# Altium PCB power.PcbDoc (part 1 of 2) (continued)
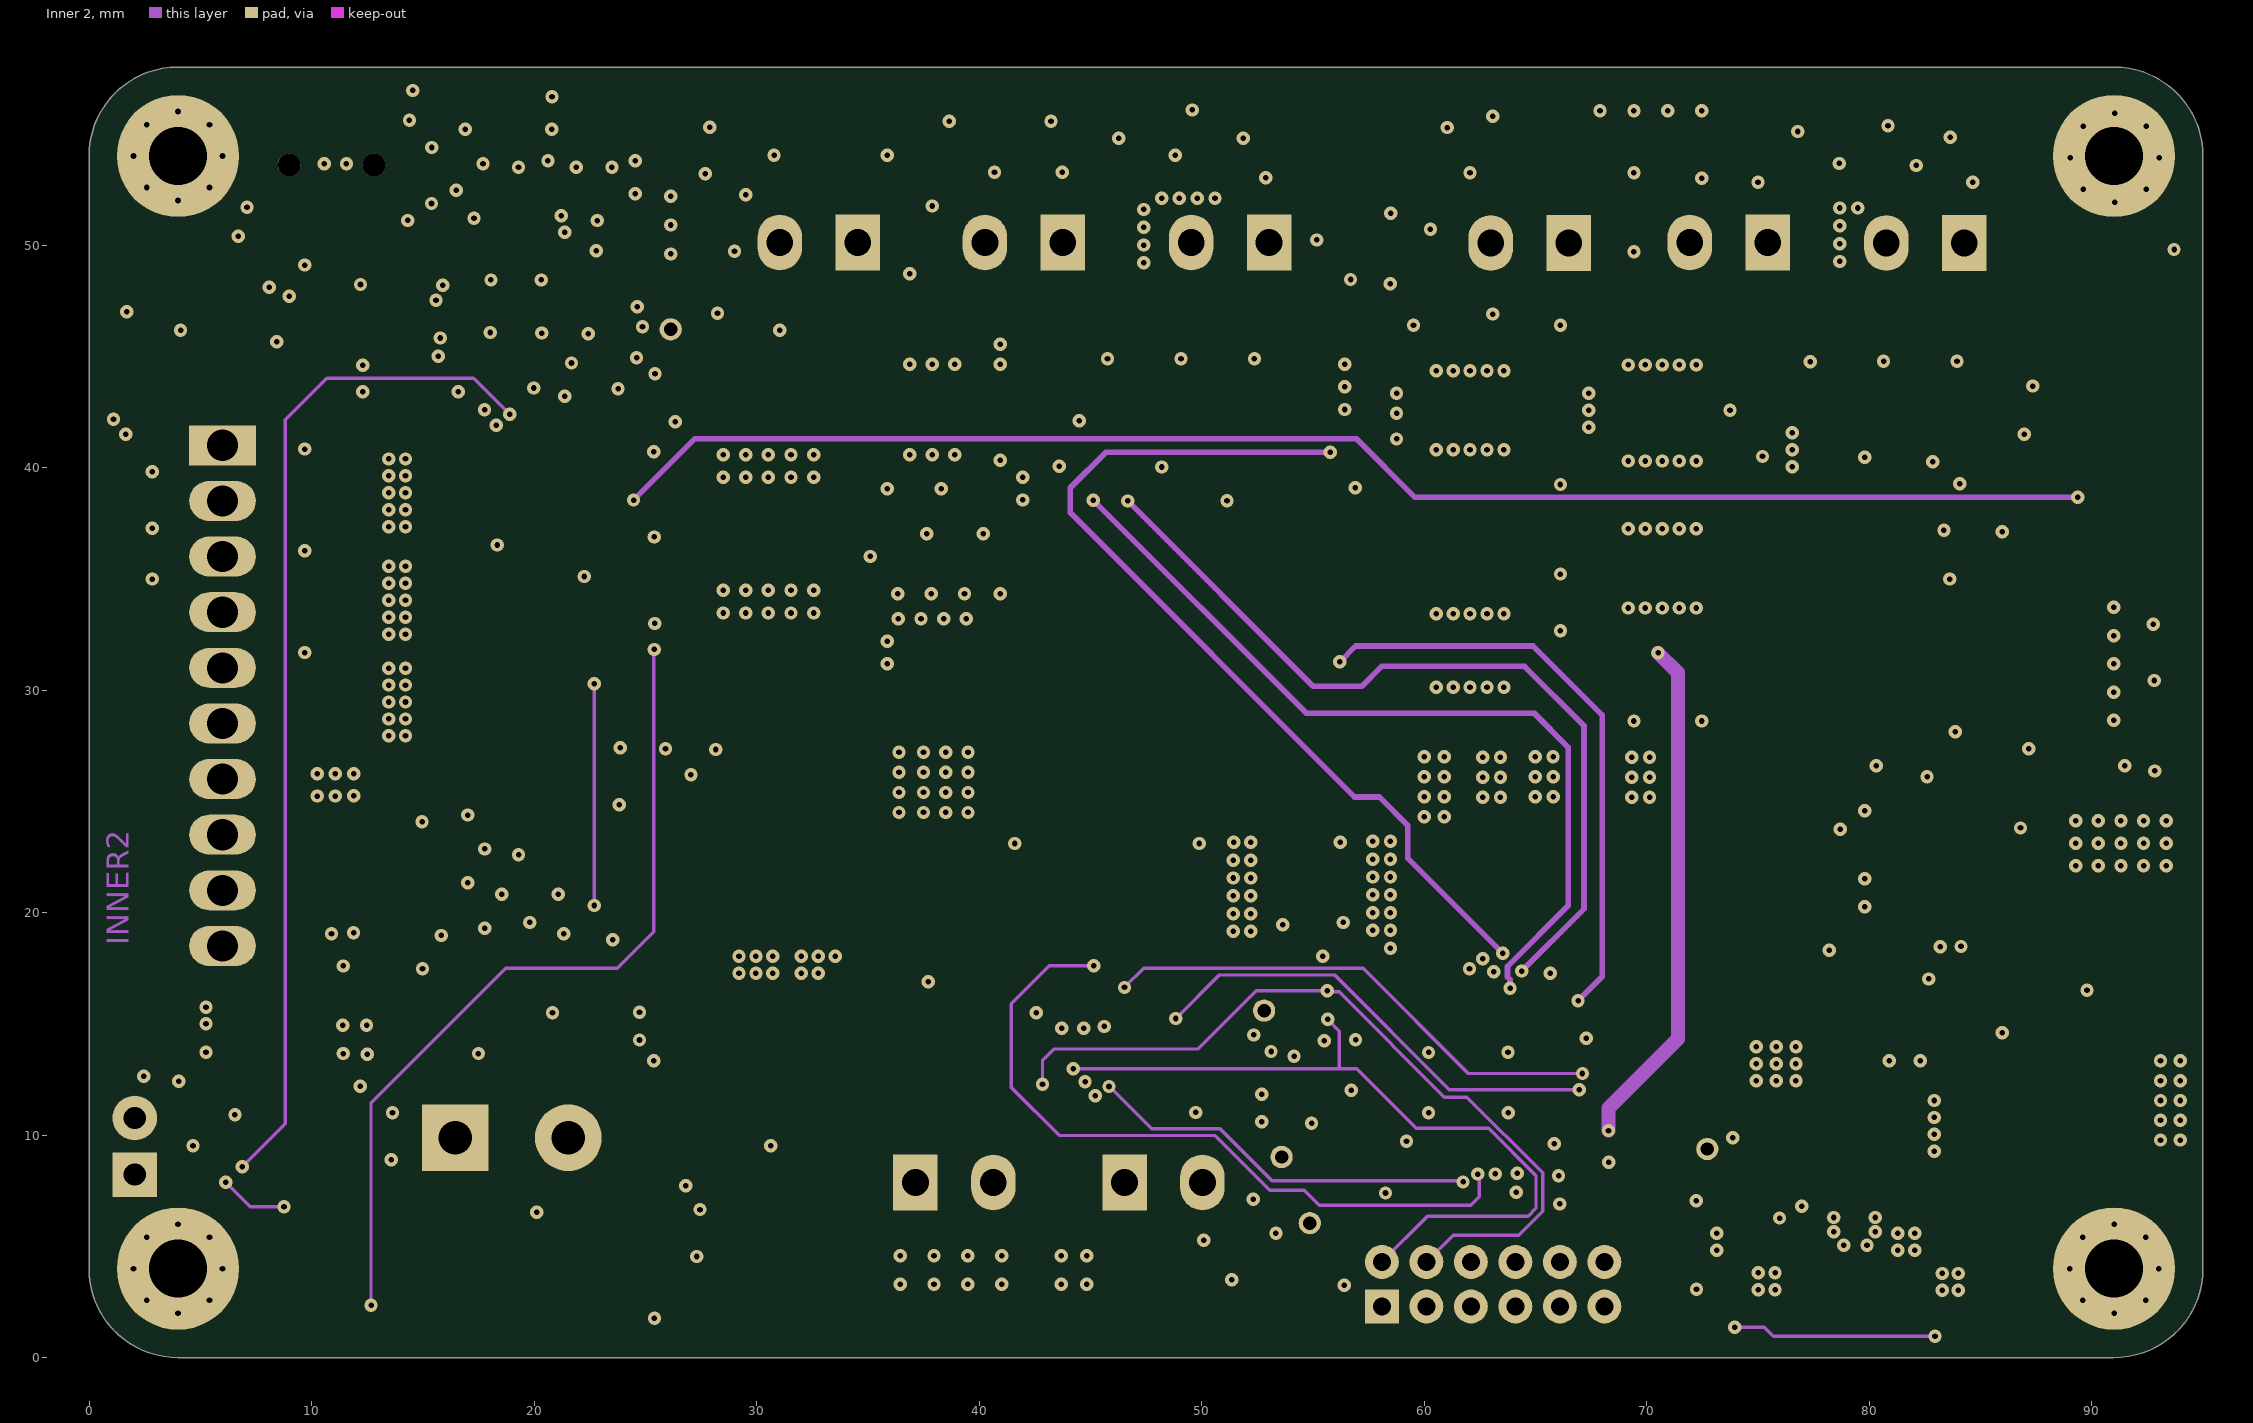
[diagram p4: Inner 2]
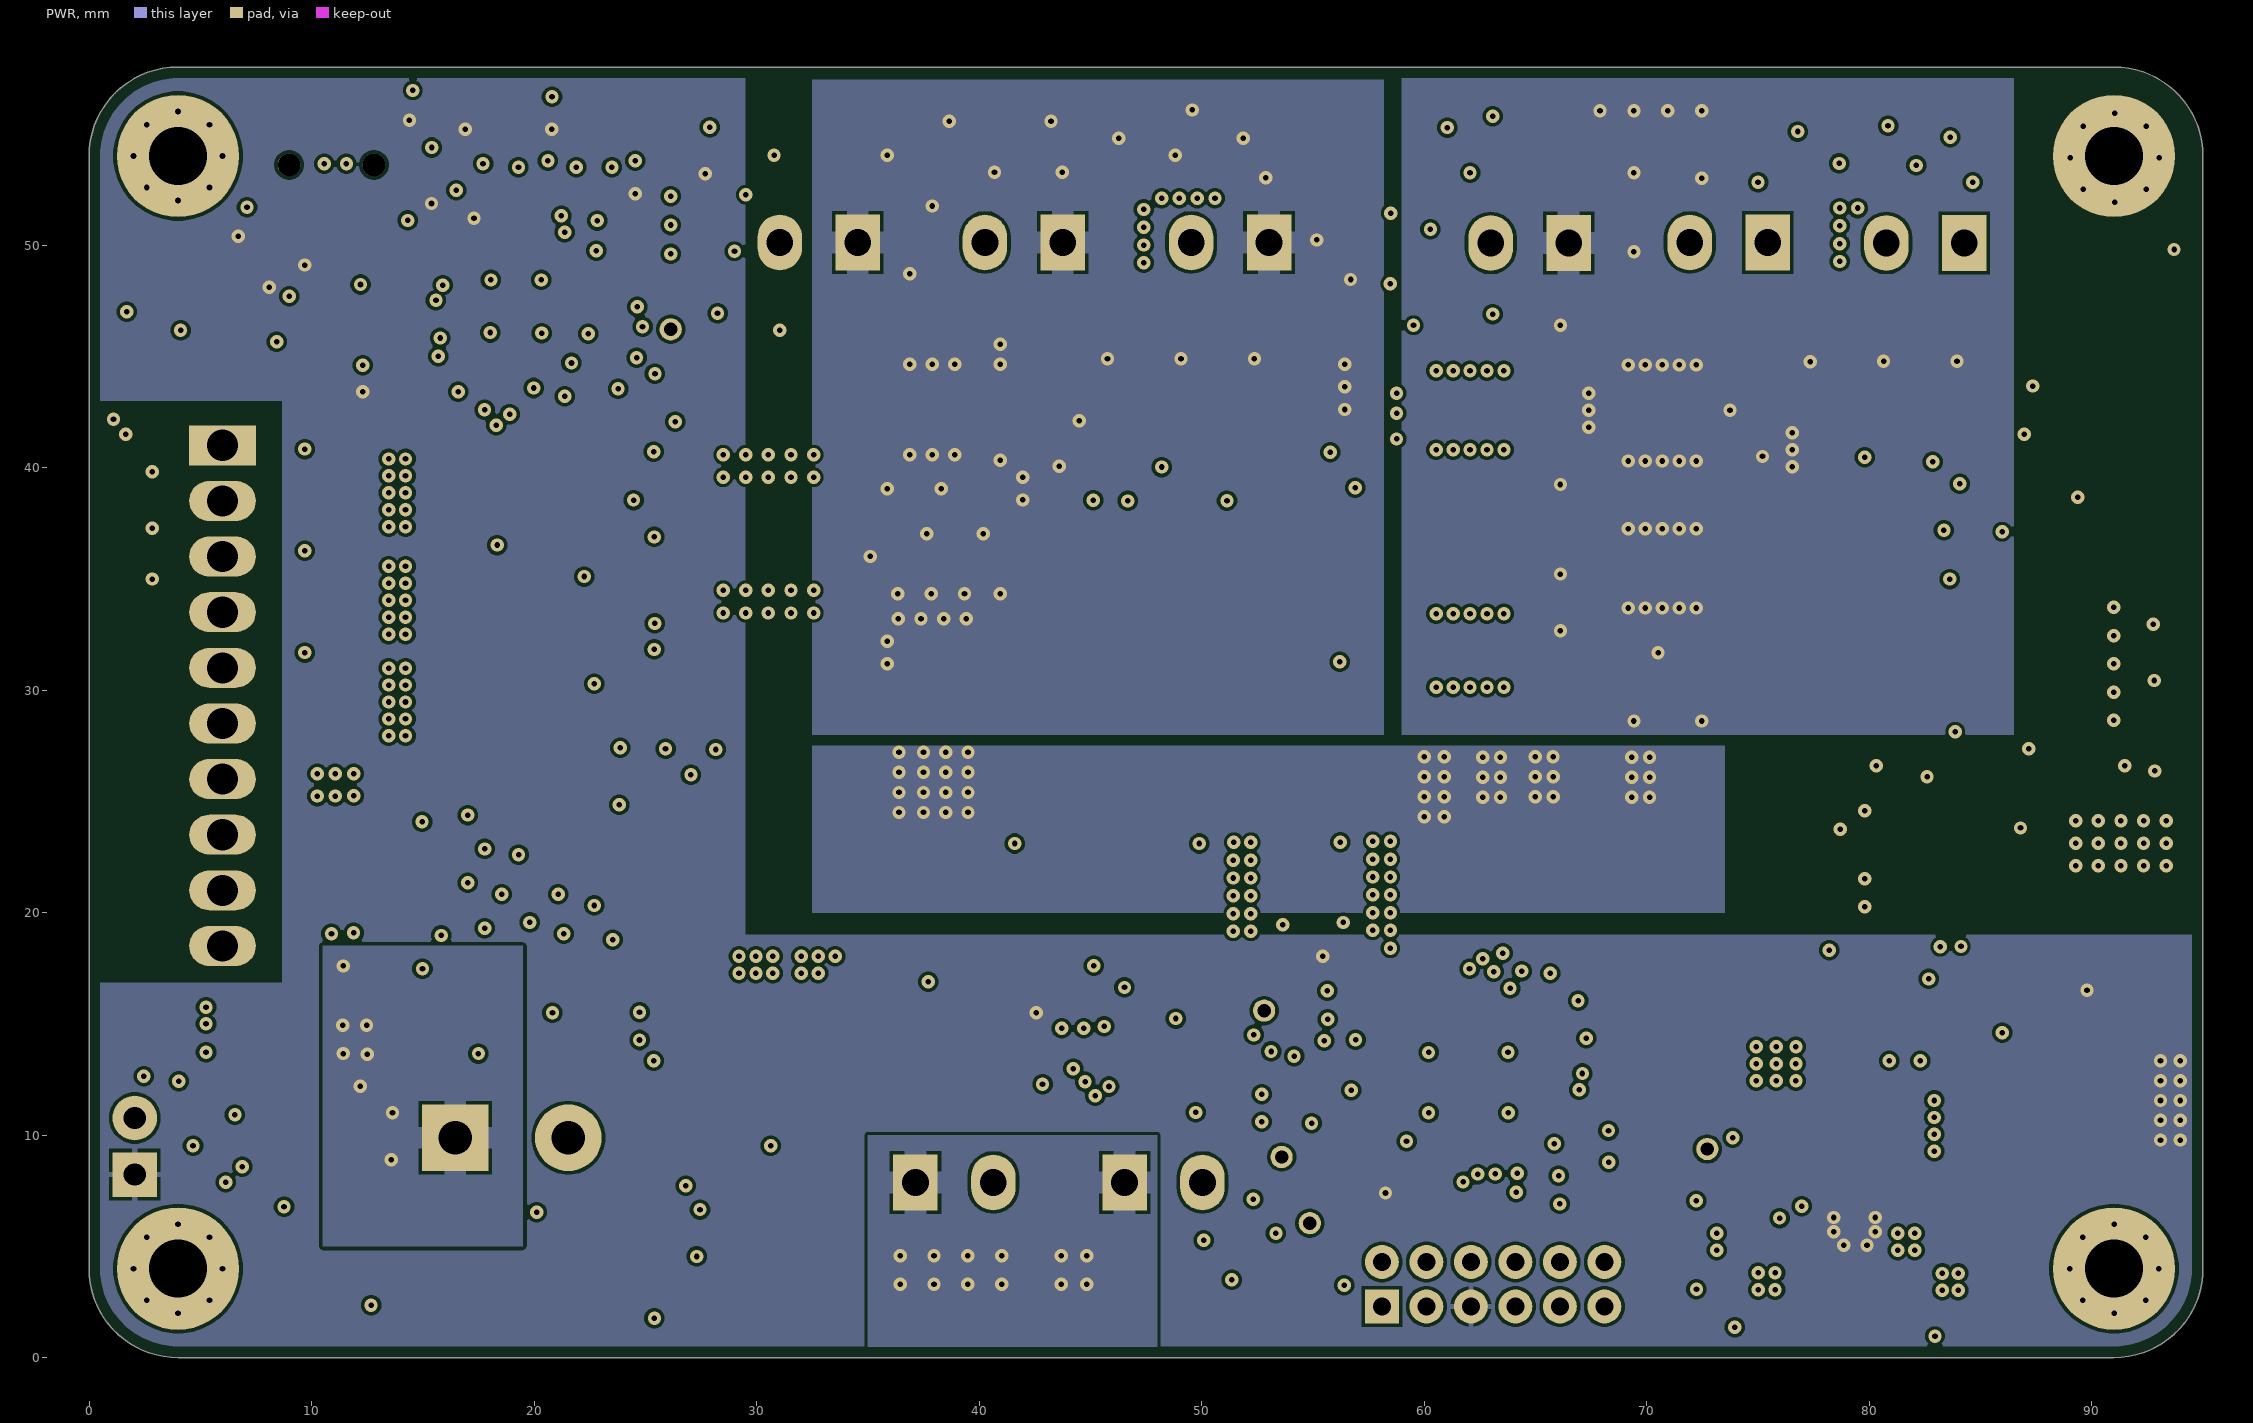
[diagram p5: PWR]
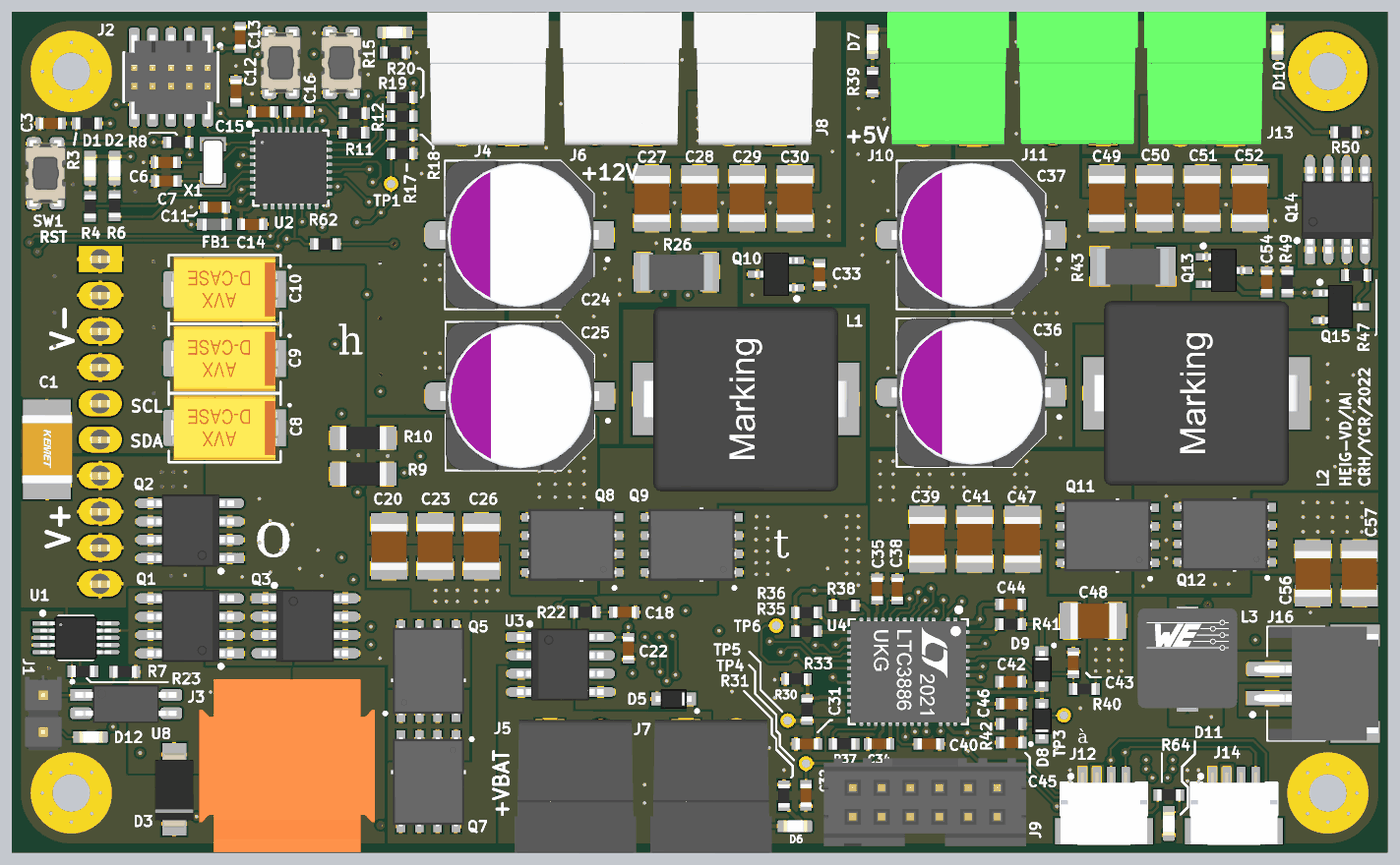
[diagram p7: 3D render of the assembled board from above, using the file's embedded part models]
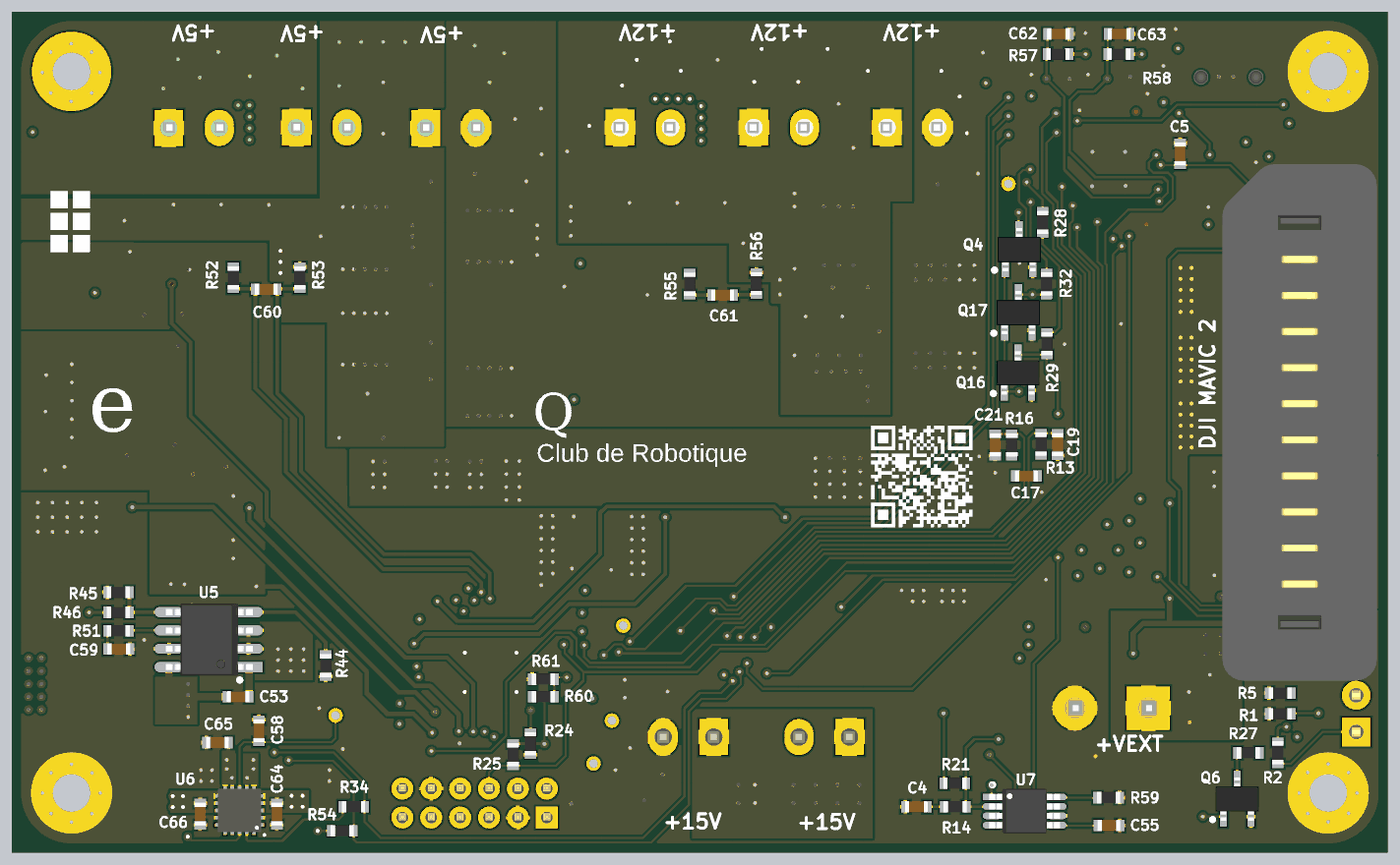
[diagram p8: 3D render of the assembled board from below, using the file's embedded part models]

## Layer stack, top to bottom
Top Solder: solder mask 0.0102, Solder Resist, Dk 3.5
Top Layer: signal copper 0.0356
Dielectric 2: prepreg 0.24, PP-006, Dk 4.1
GND: signal copper 0.035
Dielectric 4: prepreg 0.36, PP-006, Dk 4.1
Inner 1: signal copper 0.035
Dielectric 1: dielectric 0.24, FR-4, Dk 4.8
Inner 2: signal copper 0.035
Dielectric 5: prepreg 0.36, PP-006, Dk 4.1
PWR: signal copper 0.035
Dielectric 3: prepreg 0.24, PP-006, Dk 4.1
Bottom Layer: signal copper 0.0356
Bottom Solder: solder mask 0.0102, Solder Resist, Dk 3.5

## Board outline
0,4 0,54 cw(c4,54) 4,58 91,58 cw(c91,54) 95,54 95,4 cw(c91,4) 91,0 4,0 cw(c4,4)

## Design rules (kind name [scope] priority, off if disabled: settings)
BoardOutlineClearance Mask [OnLayer('Top Overlay')] p1: gap=0.4 ignorepadtopadclearanceinfootprint=FALSE
BoardOutlineClearance [All] p2: gap=0.5 ignorepadtopadclearanceinfootprint=FALSE except(0.4: SMDPad-OutlineEdge Text-OutlineEdge)
Clearance [All] p1: gap=0.15 ignorepadtopadclearanceinfootprint=TRUE
HoleSize [All] p1: absolutevalues=TRUE maxlimit=3.5 minlimit=0.025 maxpercent=80.000 minpercent=20.000
HoleToHoleClearance [All] p1: gap=0.15 allowstackedmicrovias=TRUE
MinimumSolderMaskSliver [All] p1: minsoldermaskwidth=0.075
PlaneClearance [All] p1: clearance=0.15
PlaneConnect Holes [HasFootprint('HW/HOLE/M2.5/VIA')] p1: planeconnectstyle=Direct reliefexpansion=0.508 reliefentries=4 reliefconductorwidth=0.254 reliefairgap=0.254
PlaneConnect [All] p2: pad.planeconnectstyle=Relief pad.reliefexpansion=0.508 pad.reliefentries=4 pad.reliefconductorwidth=0.5 pad.reliefairgap=0.15 via.planeconnectstyle=Direct via.reliefexpansion=0.508 via.reliefentries=4 via.reliefconductorwidth=0.5 via.reliefairgap=0.2
PolygonConnect "Schematic Polygon Connect Style_53" [InComponent('J3')] p1: connectstyle=Relief reliefconductorwidth=1 reliefentries=4 polygonreliefangle="90 Angle" airgapwidth=0.15
PolygonConnect "Schematic Polygon Connect Style_52" [InComponent('R9')] p2: connectstyle=Relief reliefconductorwidth=1 reliefentries=4 polygonreliefangle="90 Angle" airgapwidth=0.15
PolygonConnect "Schematic Polygon Connect Style_51" [InComponent('R10')] p3: connectstyle=Relief reliefconductorwidth=1 reliefentries=4 polygonreliefangle="90 Angle" airgapwidth=0.15
PolygonConnect "Schematic Polygon Connect Style_50" [InComponent('C8')] p4: connectstyle=Relief reliefconductorwidth=1 reliefentries=4 polygonreliefangle="90 Angle" airgapwidth=0.15
PolygonConnect "Schematic Polygon Connect Style_49" [InComponent('C10')] p5: connectstyle=Relief reliefconductorwidth=1 reliefentries=4 polygonreliefangle="90 Angle" airgapwidth=0.15
PolygonConnect "Schematic Polygon Connect Style_48" [InComponent('Q7')] p6: connectstyle=Relief reliefconductorwidth=0.3 reliefentries=4 polygonreliefangle="90 Angle" airgapwidth=0.15
PolygonConnect "Schematic Polygon Connect Style_4" [InComponent('Q5')] p7: connectstyle=Relief reliefconductorwidth=0.3 reliefentries=4 polygonreliefangle="90 Angle" airgapwidth=0.15
PolygonConnect "Schematic Polygon Connect Style_3" [InComponent('U3')] p8: connectstyle=Relief reliefconductorwidth=0.5 reliefentries=4 polygonreliefangle="90 Angle" airgapwidth=0.15
PolygonConnect "Schematic Polygon Connect Style_47" [InComponent('Q9')] p9: connectstyle=Relief reliefconductorwidth=0.3 reliefentries=4 polygonreliefangle="90 Angle" airgapwidth=0.15
PolygonConnect "Schematic Polygon Connect Style_46" [InComponent('C47')] p10: connectstyle=Relief reliefconductorwidth=1 reliefentries=4 polygonreliefangle="90 Angle" airgapwidth=0.15
PolygonConnect "Schematic Polygon Connect Style_45" [InComponent('Q8')] p11: connectstyle=Relief reliefconductorwidth=0.3 reliefentries=4 polygonreliefangle="90 Angle" airgapwidth=0.15
PolygonConnect "Schematic Polygon Connect Style_42" [InComponent('C41')] p12: connectstyle=Relief reliefconductorwidth=1 reliefentries=4 polygonreliefangle="90 Angle" airgapwidth=0.15
PolygonConnect "Schematic Polygon Connect Style_41" [InComponent('Q12')] p13: connectstyle=Relief reliefconductorwidth=0.3 reliefentries=4 polygonreliefangle="90 Angle" airgapwidth=0.15
PolygonConnect "Schematic Polygon Connect Style_7" [InComponent('Q11')] p14: connectstyle=Relief reliefconductorwidth=0.3 reliefentries=4 polygonreliefangle="90 Angle" airgapwidth=0.15
PolygonConnect "Schematic Polygon Connect Style_6" [InComponent('C39')] p15: connectstyle=Relief reliefconductorwidth=1 reliefentries=4 polygonreliefangle="90 Angle" airgapwidth=0.15
PolygonConnect "Schematic Polygon Connect Style_1" [InComponent('L3')] p16: connectstyle=Relief reliefconductorwidth=1 reliefentries=4 polygonreliefangle="45 Angle" airgapwidth=0.15
PolygonConnect "Schematic Polygon Connect Style" [InComponent('J16')] p17: connectstyle=Relief reliefconductorwidth=1 reliefentries=4 polygonreliefangle="90 Angle" airgapwidth=0.15
PolygonConnect "Schematic Polygon Connect Style_44" [InComponent('C57')] p18: connectstyle=Relief reliefconductorwidth=1 reliefentries=4 polygonreliefangle="90 Angle" airgapwidth=0.15
PolygonConnect "Schematic Polygon Connect Style_43" [InComponent('R43')] p19: connectstyle=Relief reliefconductorwidth=1 reliefentries=4 polygonreliefangle="45 Angle" airgapwidth=0.15
PolygonConnect "Schematic Polygon Connect Style_40" [InComponent('R26')] p20: connectstyle=Relief reliefconductorwidth=1 reliefentries=4 polygonreliefangle="90 Angle" airgapwidth=0.15
PolygonConnect "Schematic Polygon Connect Style_32" [InComponent('C56')] p21: connectstyle=Relief reliefconductorwidth=1 reliefentries=4 polygonreliefangle="90 Angle" airgapwidth=0.15
PolygonConnect "Schematic Polygon Connect Style_31" [InComponent('Q14')] p22: connectstyle=Relief reliefconductorwidth=0.4 reliefentries=4 polygonreliefangle="90 Angle" airgapwidth=0.15
PolygonConnect "Schematic Polygon Connect Style_26" [InComponent('C26')] p23: connectstyle=Relief reliefconductorwidth=1 reliefentries=4 polygonreliefangle="90 Angle" airgapwidth=0.15
PolygonConnect "Schematic Polygon Connect Style_22" [InComponent('C23')] p24: connectstyle=Relief reliefconductorwidth=1 reliefentries=4 polygonreliefangle="90 Angle" airgapwidth=0.15
PolygonConnect "Schematic Polygon Connect Style_13" [InComponent('C20')] p25: connectstyle=Relief reliefconductorwidth=1 reliefentries=4 polygonreliefangle="90 Angle" airgapwidth=0.15
PolygonConnect "Schematic Polygon Connect Style_12" [InComponent('Q3')] p26: connectstyle=Relief reliefconductorwidth=0.4 reliefentries=4 polygonreliefangle="90 Angle" airgapwidth=0.15
PolygonConnect "Schematic Polygon Connect Style_11" [InComponent('Q2')] p27: connectstyle=Relief reliefconductorwidth=0.4 reliefentries=4 polygonreliefangle="90 Angle" airgapwidth=0.15
PolygonConnect "Schematic Polygon Connect Style_8" [InComponent('Q1')] p28: connectstyle=Relief reliefconductorwidth=0.4 reliefentries=4 polygonreliefangle="90 Angle" airgapwidth=0.15
PolygonConnect "Schematic Polygon Connect Style_39" [InComponent('J10')] p29: connectstyle=Relief reliefconductorwidth=1 reliefentries=4 polygonreliefangle="90 Angle" airgapwidth=0.15
PolygonConnect "Schematic Polygon Connect Style_38" [InComponent('J13')] p30: connectstyle=Relief reliefconductorwidth=1 reliefentries=4 polygonreliefangle="90 Angle" airgapwidth=0.15
PolygonConnect "Schematic Polygon Connect Style_37" [InComponent('J8')] p31: connectstyle=Relief reliefconductorwidth=1 reliefentries=4 polygonreliefangle="90 Angle" airgapwidth=0.15
PolygonConnect "Schematic Polygon Connect Style_36" [InComponent('J5')] p32: connectstyle=Relief reliefconductorwidth=1 reliefentries=4 polygonreliefangle="90 Angle" airgapwidth=0.15
PolygonConnect "Schematic Polygon Connect Style_35" [InComponent('J11')] p33: connectstyle=Relief reliefconductorwidth=1 reliefentries=4 polygonreliefangle="90 Angle" airgapwidth=0.15
PolygonConnect "Schematic Polygon Connect Style_21" [InComponent('J6')] p34: connectstyle=Relief reliefconductorwidth=1 reliefentries=4 polygonreliefangle="90 Angle" airgapwidth=0.15
PolygonConnect "Schematic Polygon Connect Style_29" [InComponent('J4')] p35: connectstyle=Relief reliefconductorwidth=1 reliefentries=4 polygonreliefangle="90 Angle" airgapwidth=0.15
PolygonConnect "Schematic Polygon Connect Style_28" [InComponent('J7')] p36: connectstyle=Relief reliefconductorwidth=1 reliefentries=4 polygonreliefangle="90 Angle" airgapwidth=0.15
PolygonConnect "Schematic Polygon Connect Style_34" [InComponent('C37')] p37: connectstyle=Relief reliefconductorwidth=1 reliefentries=4 polygonreliefangle="90 Angle" airgapwidth=0.15
PolygonConnect "Schematic Polygon Connect Style_33" [InComponent('C24')] p38: connectstyle=Relief reliefconductorwidth=1 reliefentries=4 polygonreliefangle="90 Angle" airgapwidth=0.15
PolygonConnect "Schematic Polygon Connect Style_24" [InComponent('C25')] p39: connectstyle=Relief reliefconductorwidth=1 reliefentries=4 polygonreliefangle="90 Angle" airgapwidth=0.15
PolygonConnect "Schematic Polygon Connect Style_23" [InComponent('C36')] p40: connectstyle=Relief reliefconductorwidth=1 reliefentries=4 polygonreliefangle="90 Angle" airgapwidth=0.15
PolygonConnect "Schematic Polygon Connect Style_10" [InComponent('L2')] p41: thpad.connectstyle=Relief thpad.reliefconductorwidth=1 thpad.reliefentries=4 thpad.polygonreliefangle="90 Angle" thpad.airgapwidth=0.15 smdpad.connectstyle=Relief smdpad.reliefconductorwidth=1 smdpad.reliefentries=4 smdpad.polygonreliefangle="90 Angle" smdpad.airgapwidth=0.15 via.connectstyle=Relief via.reliefconductorwidth=0.254 via.reliefentries=4 via.polygonreliefangle="45 Angle" via.airgapwidth=0.254
PolygonConnect "Schematic Polygon Connect Style_9" [InComponent('L1')] p42: thpad.connectstyle=Relief thpad.reliefconductorwidth=1 thpad.reliefentries=4 thpad.polygonreliefangle="90 Angle" thpad.airgapwidth=0.15 smdpad.connectstyle=Relief smdpad.reliefconductorwidth=1 smdpad.reliefentries=4 smdpad.polygonreliefangle="90 Angle" smdpad.airgapwidth=0.15 via.connectstyle=Relief via.reliefconductorwidth=0.254 via.reliefentries=4 via.polygonreliefangle="45 Angle" via.airgapwidth=0.254
PolygonConnect "Schematic Polygon Connect Style_30" [InNet('NetC44_2')] p43: connectstyle=Direct reliefconductorwidth=0.254 reliefentries=4 polygonreliefangle="45 Angle" airgapwidth=0.254
PolygonConnect "Schematic Polygon Connect Style_27" [InNet('NetC45_2')] p44: connectstyle=Direct reliefconductorwidth=0.254 reliefentries=4 polygonreliefangle="45 Angle" airgapwidth=0.254
PolygonConnect "Schematic Polygon Connect Style_25" [InComponent('C9')] p45: connectstyle=Relief reliefconductorwidth=1 reliefentries=4 polygonreliefangle="90 Angle" airgapwidth=0.15
PolygonConnect "Schematic Polygon Connect Style_20" [InComponent('C27')] p46: connectstyle=Relief reliefconductorwidth=1 reliefentries=4 polygonreliefangle="90 Angle" airgapwidth=0.15
PolygonConnect "Schematic Polygon Connect Style_19" [InComponent('C52')] p47: connectstyle=Relief reliefconductorwidth=1 reliefentries=4 polygonreliefangle="90 Angle" airgapwidth=0.15
PolygonConnect "Schematic Polygon Connect Style_18" [InComponent('C49')] p48: connectstyle=Relief reliefconductorwidth=1 reliefentries=4 polygonreliefangle="90 Angle" airgapwidth=0.15
PolygonConnect "Schematic Polygon Connect Style_17" [InComponent('C30')] p49: thpad.connectstyle=Relief thpad.reliefconductorwidth=1 thpad.reliefentries=4 thpad.polygonreliefangle="90 Angle" thpad.airgapwidth=0.15 smdpad.connectstyle=Relief smdpad.reliefconductorwidth=1 smdpad.reliefentries=4 smdpad.polygonreliefangle="90 Angle" smdpad.airgapwidth=0.15 via.connectstyle=Direct via.reliefconductorwidth=0.254 via.reliefentries=4 via.polygonreliefangle="45 Angle" via.airgapwidth=0.254
PolygonConnect "Schematic Polygon Connect Style_16" [InComponent('C29')] p50: connectstyle=Relief reliefconductorwidth=1 reliefentries=4 polygonreliefangle="90 Angle" airgapwidth=0.15
PolygonConnect "Schematic Polygon Connect Style_15" [InComponent('C51')] p51: connectstyle=Relief reliefconductorwidth=1 reliefentries=4 polygonreliefangle="90 Angle" airgapwidth=0.15
PolygonConnect "Schematic Polygon Connect Style_14" [InComponent('C50')] p52: connectstyle=Relief reliefconductorwidth=1 reliefentries=4 polygonreliefangle="90 Angle" airgapwidth=0.15
PolygonConnect "Schematic Polygon Connect Style_5" [InComponent('C48')] p53: connectstyle=Relief reliefconductorwidth=1 reliefentries=4 polygonreliefangle="90 Angle" airgapwidth=0.15
PolygonConnect "Schematic Polygon Connect Style_2" [InComponent('C28')] p54: connectstyle=Relief reliefconductorwidth=1 reliefentries=4 polygonreliefangle="90 Angle" airgapwidth=0.15
PolygonConnect [All] p55: thpad.connectstyle=Relief thpad.reliefconductorwidth=0.254 thpad.reliefentries=4 thpad.polygonreliefangle="90 Angle" thpad.airgapwidth=0.15 smdpad.connectstyle=Relief smdpad.reliefconductorwidth=0.254 smdpad.reliefentries=4 smdpad.polygonreliefangle="90 Angle" smdpad.airgapwidth=0.15 via.connectstyle=Direct via.reliefconductorwidth=0.254 via.reliefentries=4 via.polygonreliefangle="90 Angle" via.airgapwidth=0.15
RoutingVias [All] p1: holewidth=0.25 width=0.6 viastyle="Through Hole" minholewidth=0.25 minwidth=0.6 maxholewidth=0.25 maxwidth=0.6
SilkToSilkClearance [All] p1: silktosilkclearance=0.07
SilkToSolderMaskClearance [IsPad] p1: minsilkscreentomaskgap=0.1 clearancetoexposedcopper=TRUE
SolderMaskExpansion [All] p1: expansion=0.06 istentingtop=FALSE
Width [All] p1: maxlimit=0.635 minlimit=0.15 preferedwidth=0.15
23 further rules are at their usual default settings.

## Classes and differential pairs
component class power: C1 C3 C4 C5 C6 C7 C11 C12 C13 C14 C15 C16 C18 C22 C48 C53 C55 C56 C57 C58 C59 C62 C63 C64 C65 C66 D1 D2 D3 D4 D5 D6 D7 D10 D11 D12 FB1 J1 J2 J3 J4 J5 J6 J7 J8 J10 J11 J12 J13 J14 J15 J16 L3 Q1 Q2 Q3 Q4 Q5 Q6 Q7 Q14 Q15 Q16 Q17 R1 R2 R3 R4 R5 R6 R7 R8 R14 R15 R21 R22 R23 R27 R28 R29 R31 R32 R34 R35 R36 R39 R44 R45 R46 R47 R49 R50 R51 R54 R57 R58 R59 R62 R64 S1 S2 S3 S4 SW1 SW2 SW3 U1 U2 U3 U5 U6 U7 U8 X1
component class Designator: C8 C9 C10 C17 C19 C20 C21 C23 C24 C25 C26 C27 C28 C29 C30 C31 C32 C33 C34 C35 C36 C37 C38 C39 C40 C41 C42 C43 C44 C45 C46 C47 C49 C50 C51 C52 C54 C60 C61 D8 D9 J9 L1 L2 Q8 Q9 Q10 Q11 Q12 Q13 R9 R10 R11 R12 R13 R16 R17 R18 R19 R20 R24 R25 R26 R30 R33 R37 R38 R40 R41 R42 R43 R52 R53 R55 R56 R60 R61 TP1 TP3 TP4 TP5 TP6 U4